# KiCad board teensy_arena_12-12.kicad_pcb (continued)
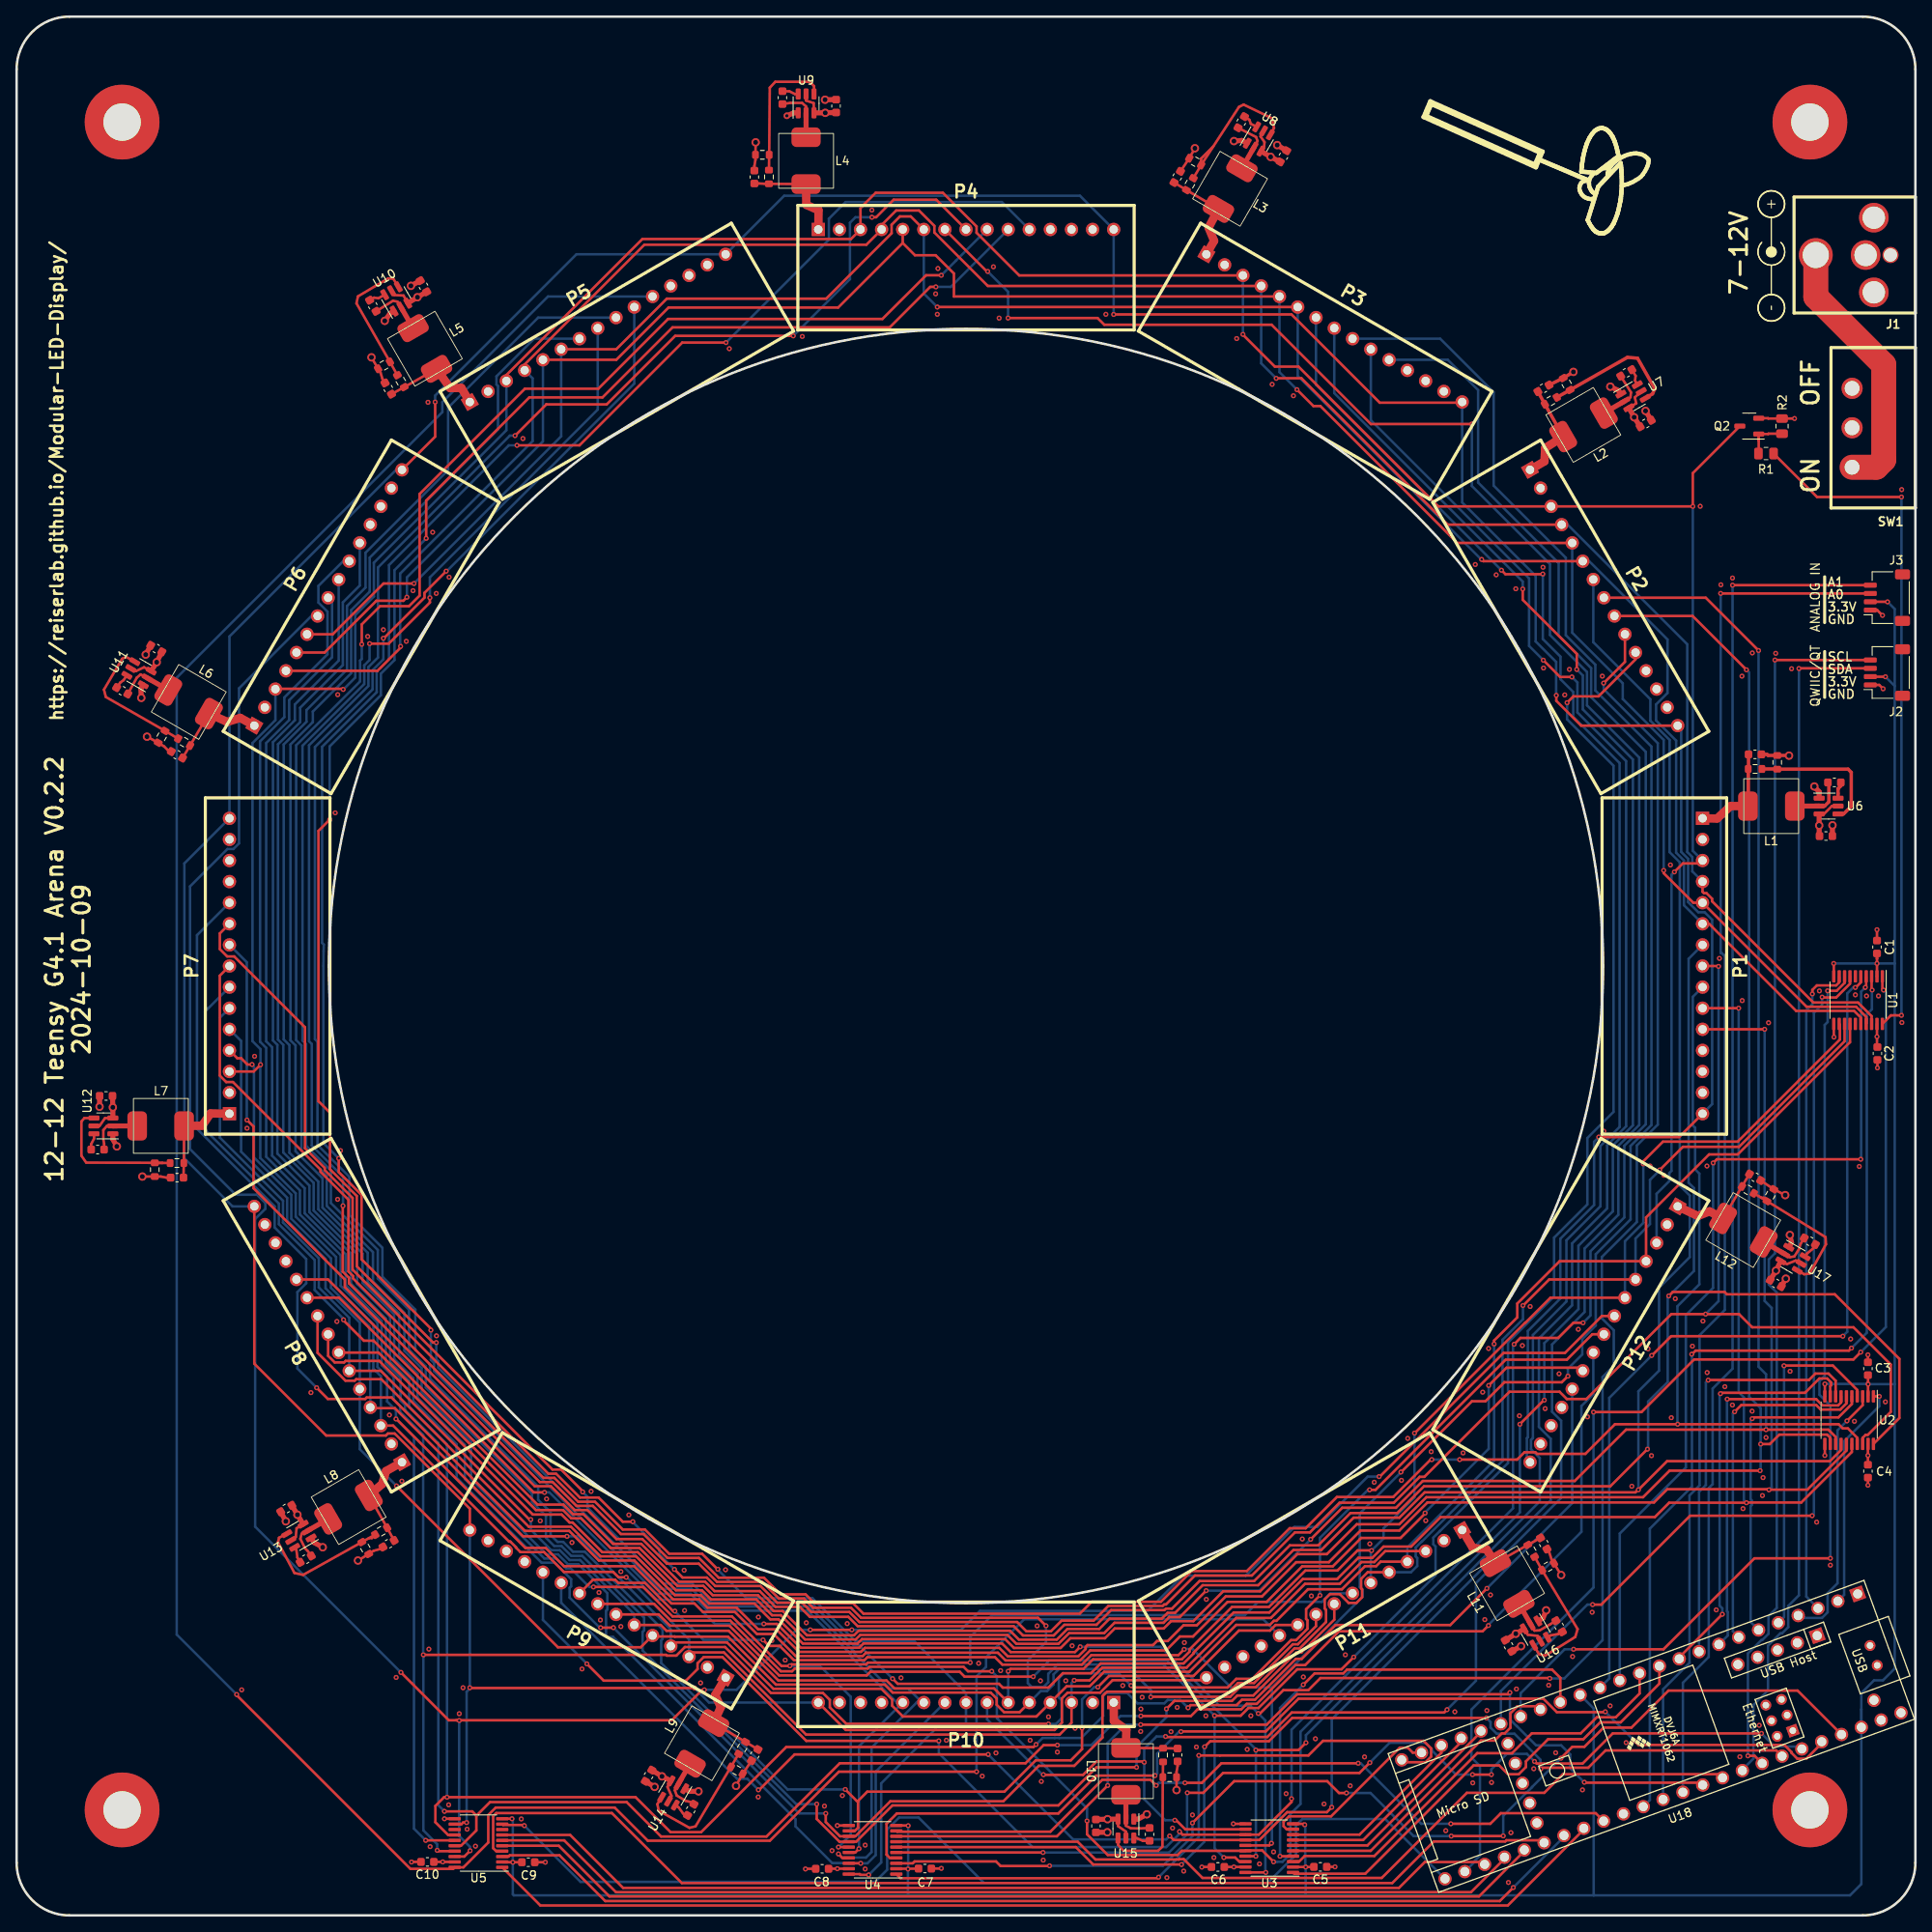
[diagram p0: board, top side]
## Nets (continued)
/Power & Voltage Regulators/SW_VCC: J1.1 SW1.1
/Teensy/A0: J3.3 U18.36
/Teensy/A1: J3.4 U18.37
/Teensy/SCL: J2.4 U18.41
/Teensy/SDA: J2.3 U18.40
Net-(Q2-G): Q2.1 R1.1 R2.2
Net-(U6-SW): C12.2 L1.1 U6.2
Net-(U6-VBST): C12.1 U6.6
Net-(U6-VFB): R3.2 R4.1 U6.4
Net-(U7-SW): C15.2 L2.1 U7.2
Net-(U7-VBST): C15.1 U7.6
Net-(U7-VFB): R5.2 R6.1 U7.4
Net-(U8-SW): C18.2 L3.1 U8.2
Net-(U8-VBST): C18.1 U8.6
Net-(U8-VFB): R7.2 R8.1 U8.4
Net-(U9-SW): C21.2 L4.1 U9.2
Net-(U9-VBST): C21.1 U9.6
Net-(U9-VFB): R9.2 R10.1 U9.4
Net-(U10-SW): C24.2 L5.1 U10.2
Net-(U10-VBST): C24.1 U10.6
Net-(U10-VFB): R11.2 R12.1 U10.4
Net-(U11-SW): C27.2 L6.1 U11.2
Net-(U11-VBST): C27.1 U11.6
Net-(U11-VFB): R13.2 R14.1 U11.4
Net-(U12-SW): C30.2 L7.1 U12.2
Net-(U12-VBST): C30.1 U12.6
Net-(U12-VFB): R15.2 R16.1 U12.4
Net-(U13-SW): C33.2 L8.1 U13.2
Net-(U13-VBST): C33.1 U13.6
Net-(U13-VFB): R17.2 R18.1 U13.4
Net-(U14-SW): C36.2 L9.1 U14.2
Net-(U14-VBST): C36.1 U14.6
Net-(U14-VFB): R19.2 R20.1 U14.4
Net-(U15-SW): C39.2 L10.1 U15.2
Net-(U15-VBST): C39.1 U15.6
Net-(U15-VFB): R21.2 R22.1 U15.4
Net-(U16-SW): C42.2 L11.1 U16.2
Net-(U16-VBST): C42.1 U16.6
Net-(U16-VFB): R23.2 R24.1 U16.4
Net-(U17-SW): C45.2 L12.1 U17.2
Net-(U17-VBST): C45.1 U17.6
Net-(U17-VFB): R25.2 R26.1 U17.4

Pads without a net: J2 MP; J3 MP; P1 12 13 14; P2 12 13 14; P3 12 13 14; P4 12 13 14; P5 12 13 14; P6 12 13 14; P7 12 13 14; P8 12 13 14; P9 12 13 14; P10 12 13 14; P11 12 13 14; P12 12 13 14; U1 6 15; U5 8 13; U18 50 51 52 53 54 55 56 57 58 59 60 61 62 63 64 65 66 67

## Via types
v1: diameter 0.6, hole 0.3, Top to Bottom, 478 vias
v2: diameter 1, hole 0.6, Top to Bottom, 47 vias
v3: diameter 0.8, hole 0.4, Top to Bottom, 1 via

## Routing (per net, layer and track width the routed paths; a pad name or vN(x,y) marks a point on that pad's centre or on a via; arc(x,y) is an arc through that point)
+3.3V: length 415.7
  Top w0.3: U1.10 218.78,114.6 v1(218.77,114.61) ; 108.58,5.63 108.58,5.64 ; 108.58,5.63 C7.1 ; 108.58,5.63 108.57,5.62 107.31,5.62 ; U3.10 154.97,11.02 v1(155.08,10.91) ; U5.2 58.5,6.4 v1(59.74,6.4) C9.1 ; v1(107.31,5.59) 107.31,5.62 ; 107.31,5.62 U4.2 ; v1(222.91,63.96) 222.91,64.17 222.9,64.18 ; v1(225.25,158.14) 225.24,158.15 J3.2 ; v1(107.34,10.8) 107.31,10.82 U4.10 ; 223.98,115.21 223.98,115.21 223.98,115.81 ; 223.98,115.21 v1(223.98,114.61) 223.98,113.05 U1.2 ; 223.98,115.21 223.98,115.81 ; C5.1 156.16,5.82 v1(155.19,5.82) U3.2 ; 222.9,62.49 222.9,62.91 ; 222.9,62.91 U2.2 ; 222.9,62.91 222.9,64.18 ; v1(217.7,63.98) 217.7,63.98 U2.10 ; v1(59.64,11.63) U5.10 ; J2.2 223.19,149.12 v1(224.99,149.12) ; 222.9,64.18 222.9,65.03 C3.1
  Bottom w0.3: v1(218.77,114.61) v1(223.98,114.61) 226.11,114.61 ; v1(59.64,11.63) 59.74,11.53 v1(59.74,6.4) 59.74,2.54 59.87,2.41 107.44,2.41 ; 155.32,2.41 155.19,2.41 ; 155.32,2.41 155.19,2.41 ; 155.32,2.41 189.87,2.41 ; 155.19,2.41 v1(155.19,5.82) 155.14,5.87 155.14,10.85 v1(155.08,10.91) ; 155.19,2.41 107.44,2.41 ; 107.44,2.41 107.31,2.54 v1(107.31,5.59) 107.34,5.61 v1(107.34,10.8) ; 226.11,148.01 226.11,157.28 v1(225.25,158.14) ; 226.11,148.01 v1(224.99,149.12) ; 226.11,148.01 226.11,114.61 ; v1(217.7,63.98) 222.88,63.98 v1(222.91,63.96) 226.11,63.96 ; 226.11,63.96 226.11,29.72 224.69,28.3 223.62,28.3 222.09,26.77 222.09,24.79 ; 226.11,63.96 226.11,114.61 ; U18.15 189.87,24.91 189.87,2.41 ; 189.87,2.41 220.73,2.41 222.09,3.78 222.09,24.79 ; 222.09,24.79 222.09,24.79 U18.46
+5V: length 12.8
  Top w0.3: U2.19 222.88,56.75 v1(222.88,55.37) C4.1 ; C6.1 v1(146.56,5.83) 147.94,5.83 U3.19 ; C2.1 223.98,104.6 v1(223.98,105.79) U1.19 ; U4.19 v1(98.81,5.62) 97.77,5.62 C8.1 ; 52.74,6.43 52.74,6.44 v1(51.31,6.44) C10.1
GND: length 102.7
  Top w0.3: v2(185.95,40.97) R24.2 184.78,42.9 184.53,43.66 184.24,44.11 ; v1(217.7,55.37) 217.7,55.38 U2.11 ; 44.11,44.36 43.71,44.09 42.98,43.89 R18.2 v2(41.1,42.72) ; 223.98,117.36 v1(223.98,118.67) ; 223.18,148.14 224.25,148.14 v1(224.71,147.68) ; v1(218.8,105.74) 218.78,105.76 U1.11 ; 52.74,11.63 U5.11 51.51,11.63 v1(51.51,11.63) ; C9.2 v1(63.65,6.4) ; v2(15.7,141.91) R14.2 17.75,140.74 18.19,140.31 C28.1 ; C22.1 88.82,210.62 88.95,211.35 R10.2 v2(88.98,213.46) ; v1(94.97,5.59) 94.99,5.61 C8.2 ; v1(111.33,5.66) 111.3,5.64 110.13,5.64 ; U3.11 v1(146.48,11.02) ; v1(98.81,10.82) 98.81,10.82 U4.11 ; C3.2 v1(222.88,67.49) ; C10.2 47.56,6.44 v1(47.55,6.43) ; J3.1 224,157.15 v1(224.64,156.52) ; v2(139.65,15.09) R22.2 139.65,17.27 139.78,17.98 C40.1 ; v2(86.61,15.6) R20.2 C37.1 ; v1(142.7,5.82) 142.71,5.83 C6.2 ; Q2.2 210.86,180.25 210.9,180.21 R2.1 v1(214.05,180.21) ; v2(42.72,187.58) R12.2 43.81,185.73 44.04,184.99 44.36,184.49 ; C19.1 R8.2 v2(141.86,212.75) ; v1(224.03,102.03) C2.2 ; C4.2 v1(222.88,51.79) ; C46.1 R26.2 v2(212.93,86.72) ; C31.1 18.03,88.82 17.37,88.95 R16.2 v2(15.14,88.95) ; C5.2 v1(158.72,5.84)
  Top w0.4: v2(216.43,135.92) 216.43,135.87 ; 184.49,184.24 R6.2 v2(187.43,185.83) ; v2(213.38,139.62) 213.36,139.65 210.87,139.65 210.74,139.78 C13.1
  Top w0.6: U14.1 81,14.94 v2(82.09,14.94) ; U6.1 217.01,135.29 216.43,135.87 ; v2(12.06,92.58) 11.58,93.45 U12.1 ; v3(92.74,216.66) 93.57,217.02 U9.1 ; v2(15.01,146.58) 14.96,147.7 U11.1 ; U13.1 35.79,44.91 v2(36.86,44.32) ; v2(184.15,36.73) 183.77,35.79 U16.1 ; v2(213.49,81.92) 213.69,80.98 U17.1 ; 31.79,48.6 v2(32.41,47.45) ; U8.1 147.5,213.69 v2(146.56,213.61) ; v2(44.32,191.97) 44.98,192.89 U10.1 ; 212.45,75.7 v2(213,76.66) ; 152.9,212.45 v2(151.76,213.13) ; 129.95,10 v2(131.32,10.01) ; v2(136.07,12.17) 135,11.58 U15.1 ; 48.6,196.81 v2(47.47,196.19) ; v2(191.87,184.05) 192.89,183.57 U7.1 ; 180,31.79 v2(181.13,32.41) ; C29.2 v2(9.98,97.36) ; C20.2 v2(97.33,218.59) ; 196.81,180 v2(196.11,181.13) ; 75.7,16.15 v2(76.81,15.47) ; 218.61,129.95 v2(218.62,131.24) ; 16.15,152.9 v2(15.54,151.79)
  vias: v1(27.1,27.15) v1(27.74,94.77) v1(28.65,103.43) v1(35.43,62.94) v1(38.35,132.74) v1(38.65,86.21) v1(38.56,71.5) v1(38.66,146.96) v1(38.99,92.08) v1(42.27,153.97) v1(44.15,154.79) v1(44.88,60.25) v1(45.69,28.65) v1(46.38,52.27) v1(46.91,153.39) v1(47.73,159.49) v1(49.53,182.17) v1(49.63,32.05) v1(49.78,8.28) v1(50.09,166.52) v1(50.52,159.16) v1(50.55,69.77) v1(52.02,13.31) v1(52.07,161.11) v1(53.29,24.28) v1(53.75,27.41) v1(54.24,10.38) v1(55.25,8.33) v1(60.76,11.61) v1(60.96,177.8) v1(63.04,47.5) v1(63.8,50.14) v1(66.86,44.89) v1(68.07,29.67) v1(69.16,51.05) v1(70.12,38.87) v1(70.28,35.56) v1(72.75,41.39) v1(72.75,34.77) v1(73.71,48.21) v1(80.37,41.55) v1(80.42,36.7) v1(82.35,27.99) v1(85.35,41.61) v1(85.8,188.62) v1(89.31,35.92) v1(89.28,14.25) v1(90.93,33.1) v1(92.53,30.73) v1(94.59,190.09) v1(95.07,35.23) v1(97.26,13.16) v1(98.17,7.8) v1(99.42,14.43) v1(100,35.13) v1(102.16,8.46) v1(102.16,5.59) v1(102.97,205.31) v1(106.48,28.6) v1(110.64,195.22) v1(110.85,192.76) v1(110.92,198.27) v1(111.94,21.08) v1(115.82,30.35) v1(116.26,16.76) v1(117.6,198.48) v1(117.91,19.56) v1(118.29,192.3) v1(118.47,29.46) v1(122.02,21.08) v1(122.86,34.85) v1(123.27,28.24) v1(123.37,16.13) v1(123.6,6.65) v1(124.23,23.9) v1(125.3,19.66) v1(126.31,28.24) v1(127.08,32.46) v1(127.43,22.53) v1(131.14,192.76) v1(133.17,27.67) v1(135.33,22.15) v1(135.36,24.84) v1(135.51,26.26) v1(138.48,4.55) v1(138.99,22.12) v1(139.17,10.52) v1(139.73,25.04) v1(140.51,5.33) v1(140.59,32.84) v1(141.57,12.09) v1(142.04,20.27) v1(143.23,38.05) v1(143.18,24.03) v1(144.15,6.96) v1(146.89,189.84) v1(148.16,19.99) v1(148.59,24.03) v1(149.63,6.2) v1(151.16,184.33) v1(151.33,7.65) v1(152.84,14.66) v1(153.72,182.96) v1(154.79,45.31) v1(154.91,28.7) v1(155.88,38.46) v1(156.36,21.26) v1(157.4,13.41) v1(159.97,31.37) v1(160.55,15.6) v1(162.28,19.08) v1(162.92,44.73) v1(163.45,52.15) v1(166.73,52.37) v1(167.49,57.43) v1(169.65,47.52) v1(170.31,55.83) v1(172.06,10.2) v1(173.15,24.51) v1(174.14,55.68) v1(175.31,15.95) v1(175.62,162.64) v1(176.5,62.99) v1(176.76,35.61) v1(177.01,24.66) v1(177.22,68.25) v1(177.44,38.58) v1(177.57,16) v1(178.13,161.39) v1(179.6,3.96) v1(179.91,9.96) v1(180.49,159.72) v1(180.57,27.25) v1(180.92,60.15) v1(181.28,68.61) v1(182.22,73.3) v1(182.65,17.65) v1(183.77,162.31) v1(183.83,150.17) v1(184.02,61.01) v1(184.45,27.71) v1(185.29,19.58) v1(185.7,65.2) v1(186.39,146.94) v1(186.94,150.01) v1(187.32,31.17) v1(188.01,70.56) v1(188.52,15.11) v1(189.13,60.02) v1(189.69,36.5) v1(190.91,149.2) v1(191.08,94.41) v1(191.85,25.22) v1(193.78,20.8) v1(194.46,51.66) v1(196.42,68.2) v1(196.65,90.22) v1(196.82,55.35) v1(198.32,89.1) v1(199.11,126.47) v1(199.21,59.92) v1(199.69,74.24) v1(201.75,68.53) v1(202.69,169.65) v1(203.02,71.55) v1(203.5,90.22) v1(203.53,65.35) v1(204.62,36.78) v1(205,115.21) v1(205.18,160.2) v1(205.66,63.65) v1(206.58,161.01) v1(206.57,61.44) v1(207.47,19.1) v1(207.72,149.2) v1(207.75,110.13) v1(207.85,48.97) v1(208.94,60.71) v1(208.97,151.99) v1(209.8,22.89) v1(210.19,50.55) v1(210.26,52.71) v1(210.62,57.53) v1(210.92,107.47) v1(211.79,151.94) v1(213.51,65.51) v1(213.69,150.09) v1(216.71,47.35) v1(217.04,111.3) v1(218.36,42.16) v1(220.8,69.39) v1(221.26,59.49) v1(221.37,110.83) v1(221.84,90.17) v1(222.72,110.69) v1(224.15,110.69) v1(224.99,61.82) v1(226.95,171.65) v1(226.97,107.49)
VCC: length 65.2
  Top w0.3: U10.5 45.47,195.07 46.58,195.02 U10.3 ; U13.5 33.6,45.54 33.71,46.61 U13.3 ; U11.5 14.38,149.81 15.34,150.27 U11.3 ; 195.6,183.47 194.82,182.75 195,182.04 U7.3 ; 212.4,78.8 213.13,78.41 214.2,78.84 U17.5 ; 183.47,33 183.11,33.66 181.94,33.78 U16.3 ; 133.55,9.31 133.55,10.08 132.61,10.74 U15.3 ; U6.3 217.59,132.6 218.54,133.55 219.29,133.55 ; 78.79,16.2 78.36,15.47 78.84,14.38 U14.5 ; U8.5 149.76,214.17 150.24,213.49 150.19,212.98 U8.3 ; U12.3 10.64,95.99 9.98,95.05 9.31,95.05 ; 95.05,219.29 95.05,218.49 95.96,218.19 U9.3
  Top w0.4: 217.02,129.98 C11.1
  Top w0.6: U6.3 217.01,131.22 v2(217.02,131.22) 217.02,129.98 ; C44.1 v2(211.81,77.62) 212.4,78.8 ; U15.3 v2(131.34,11.58) C38.1 ; U9.3 v2(97.36,217.02) C20.1 ; C35.1 v2(77.7,16.74) 78.79,16.2 ; C26.1 v2(16.87,150.88) U11.3 ; U8.3 v2(150.98,211.71) C17.1 ; U16.3 v2(180.49,33.91) C41.1 ; U10.3 v2(48.26,194.82) C23.1 ; U7.3 v2(194.74,180.37) C14.1 ; U13.3 v2(33.81,48.24) C32.1 ; U12.3 v2(11.58,97.28) C29.1
/Level Shifters/PAN3V.CS_00: length 27.4
  Top w0.3: U2.1 v1(224.25,62.49)
  Bottom w0.3: U18.2 220.02,38.59 220.02,57.08 224.26,61.32 224.26,62.48 v1(224.25,62.49)
/Level Shifters/PAN3V.CS_01: length 31.7
  Top w0.3: U2.3 222.25,61.42 v1(220.36,59.53)
  Bottom w0.3: U18.4 214.78,35.82 217.36,35.82 218.03,36.49 218.03,38.79 219.22,39.99 219.22,58.4 v1(220.36,59.53)
/Level Shifters/PAN3V.CS_02: length 42
  Top w0.3: v1(212.78,66.17) 212.8,66.19 218.67,66.19 221.6,63.26 U2.4
  Bottom w0.3: U18.5 212.79,35.91 212.79,66.17 v1(212.78,66.17)
/Level Shifters/PAN3V.CS_03: length 39.7
  Top w0.3: U2.5 220.95,61.57 219.33,59.96 209.1,59.96 v1(208.95,59.81)
  Bottom w0.3: U18.6 208.76,35.32 208.76,49.27 208.9,49.41 208.9,49.95 208.76,50.09 208.76,59.62 v1(208.95,59.81)
/Level Shifters/PAN3V.CS_04: length 42.7
  Top w0.3: v1(206.83,60.63) 207.64,61.44 216.66,61.44 217.2,60.9 219.56,60.9 220.3,61.64 U2.6
  Bottom w0.3: U18.7 206.63,34.2 206.63,60.43 v1(206.83,60.63)
/Level Shifters/PAN3V.CS_05: length 44.9
  Top w0.3: v1(205.94,62.15) 216.66,62.15 217.41,61.4 219.3,61.4 219.65,61.75 U2.7
  Bottom w0.3: U18.8 206.01,33.69 206.01,36.53 205.92,36.62 205.92,62.13 v1(205.94,62.15)
/Level Shifters/PAN3V.CS_06: length 51
  Top w0.3: v1(203.66,64.44) 203.67,64.46 215.79,64.46 216.56,65.23 218.14,65.23 219,64.37 U2.8
  Bottom w0.3: v1(203.66,64.44) 203.38,64.16 203.38,51.81 202.56,50.99 U18.9
/Level Shifters/PAN3V.CS_07: length 50.2
  Top w0.3: v1(205.36,36.26) 200.17,31.07 U18.10 ; U2.9 218.35,63.71 218.45,63.81 218.45,64.16 217.97,64.64 217.04,64.64 215.31,62.92 205.23,62.92 v1(205.13,62.81)
  Bottom w0.3: v1(205.13,62.81) 205.03,62.71 205.03,37.29 205.36,36.96 v1(205.36,36.26)
/Level Shifters/PAN3V.CS_08: length 57.1
  Top w0.3: U3.1 153.83,5.01 162.37,5.01 175.41,18.06 178.49,18.06 179.55,16.99 180.85,16.99 181.71,17.86 181.71,18.54 184.38,21.21 188.62,21.21 190.65,23.24 193.12,23.24 197.78,27.91 U18.11
/Level Shifters/PAN3V.CS_09: length 52.5
  Top w0.3: U3.3 154.4,6.47 155.07,7.15 163.46,7.15 175.84,19.53 180.03,19.53 182.43,21.92 188.32,21.92 190.25,23.85 192.53,23.85 195.4,26.72 U18.12
/Level Shifters/PAN3V.CS_10: length 58.4
  Top w0.3: v1(154.91,27.77) 156.27,29.13 159.72,29.13 160.18,29.59 184.86,29.59 185.85,28.6 U18.16 ; U3.4 v1(152.1,7.12)
  Bottom w0.3: v1(152.1,7.12) 152.1,24.97 v1(154.91,27.77)
/Level Shifters/PAN3V.CS_11: length 38.2
  Top w0.3: U18.17 183.09,25.18 180.69,25.18 179.84,24.33 179.84,22.59 179.17,21.92 178.81,21.92 177.94,21.05 176.29,21.05 163.02,7.77 U3.5
/Level Shifters/PAN3V.CS_12: length 28.4
  Top w0.3: U3.6 162.64,8.42 176.3,22.09 U18.20
/Level Shifters/PAN3V.CS_13: length 25.6
  Top w0.3: U3.7 162.11,9.07 173.92,20.88 U18.21
/Level Shifters/PAN3V.CS_14: length 22.8
  Top w0.3: U18.22 171.53,19.57 161.68,9.72 U3.8
/Level Shifters/PAN3V.CS_15: length 22.4
  Top w0.3: U18.23 168.09,19.59 167.49,20.19 166.52,20.19 158.25,11.92 153.2,11.92 152.54,11.27 152.54,10.74 152.9,10.37 U3.9
/Level Shifters/PAN3V.CS_16: length 82.5
  Top w0.3: v1(137.49,4.6) 137.37,4.47 106.41,4.47 U4.1 ; U18.24 167.04,18.44 169.62,18.44 170.29,19.12 170.29,20.11 169.39,21.02 157.29,21.02 155.53,19.25 144.86,19.25 144.86,19.25 v1(142.33,19.25)
  Bottom w0.3: v1(137.49,4.6) 142.32,9.42 142.32,19.24 v1(142.33,19.25)
/Level Shifters/PAN3V.CS_17: length 132.9
  Top w0.3: v1(185.93,18.93) 187.3,20.29 188.75,20.29 191.06,22.61 194.41,22.61 198.87,27.06 214.42,27.06 U18.45 ; v1(160.1,14.74) 159.21,14.74 157.79,16.15 146.58,16.15 141.57,11.14 v1(141.57,11.13) ; v1(178.98,9.57) 178.96,9.55 v1(172.72,9.55) ; v1(124.36,5.97) 124.33,5.94 118.47,5.94 117.91,6.5 108.12,6.5 107.89,6.27 U4.3
  Bottom w0.3: v1(172.72,9.55) 168.19,9.55 163,14.74 v1(160.1,14.74) ; v1(141.57,11.13) 141.57,9.54 138,5.97 v1(124.36,5.97) ; v1(185.93,18.93) 185.92,18.93 182.45,15.45 182.45,15.43 181.77,14.76 181.75,14.76 178.98,11.98 v1(178.98,9.57)
/Level Shifters/PAN3V.CS_18: length 129.3
  Top w0.3: v1(140.18,22.12) 140.21,22.15 150.39,22.15 154.33,26.09 183.81,26.09 185.43,24.46 191.21,24.46 v1(191.26,24.51) ; v1(137.05,16.83) 129.97,16.83 125.41,12.27 105.98,12.27 104.73,11.02 104.73,7.31 105.12,6.92 U4.4 ; U18.44 217.32,20.72 215.46,18.86 214.39,18.86 213.7,19.56 213.7,19.65 212.82,20.52 195.25,20.52 v1(194.72,21.06)
  Bottom w0.3: v1(194.72,21.06) 191.78,24 v1(191.26,24.51) ; v1(137.05,16.83) 137.32,17.1 137.32,19.49 139.95,22.12 v1(140.18,22.12)
/Level Shifters/PAN3V.CS_19: length 123.2
  Top w0.3: v1(140.94,14.76) 142.86,14.76 145.25,17.15 161.67,17.15 v1(162.92,18.39) ; v1(123.57,7.57) U4.5 ; v1(177.55,16.95) v1(175.29,16.95) ; v1(182.74,18.53) 183,18.28 188.53,18.28 192.17,21.91 v1(210.07,21.91)
  Bottom w0.3: v1(182.74,18.53) 181.83,19.45 179.42,19.45 177.55,17.58 v1(177.55,16.95) ; v1(162.92,18.39) 165.31,20.78 169.59,20.78 170.38,19.99 170.38,19.86 173.29,16.95 v1(175.29,16.95) ; v1(210.07,21.91) 211.66,20.32 214.65,20.32 U18.43 ; v1(123.57,7.57) 123.57,7.57 138.74,7.57 140.92,9.74 140.92,14.73 v1(140.94,14.76)
/Level Shifters/PAN3V.CS_20: length 126.3
  Top w0.3: v1(176.96,23.77) 153.58,23.77 150.77,20.97 143.7,20.97 v1(143.03,20.29) ; U18.42 211.86,19.86 191.3,19.86 189.21,17.77 183.64,17.77 v1(183.49,17.63) ; U4.6 127.52,8.22 129.61,6.13 140.24,6.13 v1(140.25,6.12)
  Bottom w0.3: v1(176.96,23.77) 177.45,23.28 177.45,22.61 178.19,21.87 180.32,21.87 183.46,18.73 183.46,17.65 v1(183.49,17.63) ; v1(140.25,6.12) 142.98,8.85 142.98,20.25 v1(143.03,20.29)
/Level Shifters/PAN3V.CS_21: length 106.7
  Top w0.3: U18.39 204.95,17 186.16,17 183.92,14.76 174.6,14.76 164.35,4.51 142.78,4.51 140.52,6.77 139.98,6.77 139.93,6.73 129.89,6.73 127.74,8.87 U4.7
/Level Shifters/PAN3V.CS_22: length 114.7
  Top w0.3: U18.38 202.72,15.98 188.8,15.98 v1(188.75,16.03) ; v1(131.36,15.64) 125.24,9.52 U4.8 ; v1(135.33,22.96) 150.5,22.96 154.16,26.62 179.58,26.62 v1(179.78,26.82)
  Bottom w0.3: v1(131.36,15.64) 131.36,20.77 133.54,22.96 v1(135.33,22.96) ; v1(188.75,16.03) 188.72,16.03 187.05,17.7 187.05,19.38 185.95,20.47 182.93,20.47 180.62,22.79 180.6,22.79 179.78,23.61 v1(179.78,26.82)
/Level Shifters/PAN3V.CS_23: length 93.1
  Top w0.3: v1(137.19,15.64) 136.51,16.33 130.71,16.33 124.45,10.07 106.01,10.07 105.91,10.17 ; v1(140.67,15.96) 142.7,15.96 145.05,18.31 v1(161.52,18.31) ; U18.33 190.11,12.31 178.7,12.31 177.42,11.03 v1(172.67,11.03)
  Bottom w0.3: v1(137.19,15.64) 137.51,15.96 v1(140.67,15.96) ; v1(161.52,18.31) 161.82,18.31 169.11,11.03 v1(172.67,11.03)
/Level Shifters/PAN3V.CS_24: length 136
  Top w0.3: U5.1 63.06,1.19 179.53,1.19 188.68,10.34 U18.32
/Level Shifters/PAN3V.CS_25: length 133.5
  Top w0.3: v1(180.19,3.36) 178.56,1.73 70.87,1.73 65.36,7.23 59.37,7.23 59.22,7.08 U5.3
  Bottom w0.3: U18.31 186.29,9.46 v1(180.19,3.36)
/Level Shifters/PAN3V.CS_26: length 137.5
  Top w0.3: U5.4 57.73,7.73 57.37,8.09 57.37,11.95 57.75,12.32 71.67,12.32 80.09,3.89 165.61,3.89 170.62,8.9 179.21,8.9 179.36,9.04 183.6,9.04 U18.30
/Level Shifters/PAN3V.CS_27: length 128
  Top w0.3: U5.5 65.28,8.38 71.37,2.29 176.06,2.29 181.52,7.74 U18.29
/Level Shifters/PAN3V.CS_28: length 125.1
  Top w0.3: U18.28 179.13,6.82 175.11,2.79 72.16,2.79 65.92,9.03 U5.6
/Level Shifters/PAN3V.CS_29: length 122.3
  Top w0.3: U5.7 66.64,9.68 73.03,3.3 166.42,3.3 169.54,6.43 176.46,6.43 U18.27
/Level Shifters/PAN3V.EXT_INT: length 133.9
  Top w0.3: v1(61.12,10.81) 61.04,10.89 58.57,10.89 U5.9
  Bottom w0.3: U18.25 164.77,11.6 154.79,11.6 154.03,10.84 154.03,7.33 150.6,3.9 116.47,3.9 108.59,11.79 106.25,11.79 104.81,10.35 104.81,5.5 103.35,4.04 67.89,4.04 v1(61.12,10.81)
/Level Shifters/PAN3V.MISO_0: length 110.9
  Top w0.3: v1(221.37,111.72) 221.42,111.72 222.03,112.33 U1.5 ; v1(219.86,69.73) 199.19,69.73 196.88,67.41 v1(196.85,67.41)
  Bottom w0.3: v1(219.86,69.73) 220.4,70.26 220.4,111 221.11,111.72 v1(221.37,111.72) ; v1(196.85,67.41) 191.75,62.31 191.75,28.53 U18.14
/Level Shifters/PAN3V.MISO_1: length 79.7
  Top w0.3: v1(216.19,110.94) 216.19,111.42 216.74,111.97 219.07,111.97 219.43,112.33 U1.9
  Bottom w0.3: 216.88,36.97 215.47,38.38 215.47,108.96 216.19,109.69 v1(216.19,110.94)
/Level Shifters/PAN3V.MOSI_0: length 107.2
  Top w0.3: v1(204.25,90.59) 204.7,91.03 v1(222.02,91.03) ; v1(222.57,111.72) 222.68,111.83 U1.4
  Bottom w0.3: U18.13 193.01,45.97 200.96,53.92 200.96,72.27 204.24,75.54 204.24,90.58 v1(204.25,90.59) ; v1(222.02,91.03) 222.07,91.08 222.07,111.22 v1(222.57,111.72)
/Level Shifters/PAN3V.MOSI_1: length 119.3
  Top w0.3: v1(218.36,42.99) 209.22,42.99 198.27,32.04 v1(187.45,32.04) ; v1(218.03,111.32) 219.12,111.32 220.08,112.27 U1.8
  Bottom w0.3: 181.08,23.94 181.08,26.75 186.37,32.04 v1(187.45,32.04) ; v1(218.36,42.99) 218.36,61.37 217.05,62.68 217.05,64.31 217.68,64.94 217.68,107.2 218.03,107.55 v1(218.03,111.32)
/Level Shifters/PAN3V.RESET: length 144.4
  Top w0.3: U1.1 224.63,111.54 v1(224.76,111.4) ; v1(189.85,60.59) 195.63,60.59 201.96,66.93 221.14,66.93 v1(222.02,67.81)
  Bottom w0.3: 174.35,5.27 175.59,6.51 175.59,6.62 176.17,7.2 176.17,17.98 175.15,19.01 175.15,24.78 189.85,39.48 v1(189.85,60.59) ; v1(222.02,67.81) 225.04,70.83 225.04,111.13 v1(224.76,111.4)
/Level Shifters/PAN3V.SCK_0: length 122.3
  Top w0.3: U1.3 223.33,111.47 v1(223.39,111.4) ; v1(220.9,68.3) 220.6,68 202.14,68 201.71,67.56 v1(201.68,67.56)
  Bottom w0.3: v1(220.9,68.3) 222.75,70.14 222.75,108.47 223.37,109.09 223.37,111.38 v1(223.39,111.4) ; U18.35 196.63,13.89 196.63,46.56 201.7,51.63 201.7,67.54 v1(201.68,67.56)
/Level Shifters/PAN3V.SCK_1: length 118
  Top w0.3: v1(217.37,110.55) 217.42,110.51 219.07,110.51 220.73,112.17 U1.7 ; v1(189.74,37.41) 190.78,37.41 201.48,48.12 v1(216.17,48.12)
  Bottom w0.3: v1(217.37,110.55) 217.37,109.65 216.38,108.66 216.38,48.33 v1(216.17,48.12) ; v1(189.74,37.41) 189.1,37.41 178.69,27 U18.19
/Level Shifters/PAN5V.CS_00: length 337.1
  Top w0.3: v1(196.34,56.13) 191.87,51.66 169.44,51.66 166.22,48.44 160.59,48.44 156.7,44.55 153.29,44.55 148.99,40.25 142.41,40.25 139.09,36.93 138.36,36.93 138.18,36.75 131.77,36.75 130.01,34.99 126.15,34.99 124.86,33.7 121.16,33.7 120.05,34.82 101.26,34.82 100.13,35.94 95.5,35.94 94.31,37.14 91.36,37.14 89.46,39.04 84.02,39.04 82.89,40.17 79.76,40.17 75.2,44.73 71.8,44.73 68.24,48.3 66.99,48.3 65.83,49.45 62.71,49.45 42.98,69.19 41.81,69.19 39.37,71.63 v1(39.37,71.7) ; v1(198.91,74.57) 199.39,75.06 205.62,75.06 205.91,74.77 218.9,74.77 226.67,67.01 226.67,59.88 U2.20
  Bottom w0.3: v1(196.34,56.13) 196.42,56.21 196.42,61.85 198.78,64.21 198.78,74.45 v1(198.91,74.57) 198.93,74.57 201.94,77.58 201.94,87.57 201.3,88.21 201.3,115.16 P1.7 ; P7.7 22.68,108.82 22.68,94.59 31.57,85.7 31.57,83.21 35.88,78.9 35.88,75.29 39.37,71.81 v1(39.37,71.7)
/Level Shifters/PAN5V.CS_01: length 323
  Top w0.3: v1(204.9,114.25) 204.85,114.3 P1.8 ; U2.18 222.25,57.49 222.61,57.85 222.87,57.85 225.64,60.61 225.64,66.32 221.15,70.8 208.95,70.8 207.37,72.39 v1(203.34,72.39) 199.21,72.39 188.99,62.17 186.64,62.17 185.76,63.04 179.73,63.04 169.49,52.8 168.93,52.8 165.81,49.68 159.28,49.68 155.7,46.11 153.91,46.11 148.72,40.92 141.86,40.92 138.37,37.43 138.15,37.43 137.98,37.25 131.44,37.25 129.67,35.49 125.81,35.49 124.53,34.2 121.57,34.2 120.46,35.32 101.46,35.32 100.25,36.53 95.68,36.53 94.57,37.64 91.57,37.64 89.56,39.65 84.12,39.65 83.09,40.67 80.18,40.67 v1(79.2,41.65) ; v1(74.19,47.4) 72.97,47.4 70.07,50.3 67.82,50.3 64.95,53.18 64.02,53.18 40.51,76.68 40.51,76.97 39.95,77.53 39.95,86.17 36.59,89.52 36.59,89.78 26.05,100.33 25.23,100.33 24.46,101.1 24.46,113.13 P7.8
  Bottom w0.3: v1(79.2,41.65) 77.39,43.46 77.39,44.15 74.19,47.35 v1(74.19,47.4) ; v1(204.9,114.25) 204.9,73.95 v1(203.34,72.39)
/Level Shifters/PAN5V.CS_02: length 310.9
  Top w0.3: v1(173.73,54.87) 180.65,54.87 181.53,55.75 182.86,55.75 183.04,55.57 188.86,55.57 192.43,59.13 v1(199.97,59.13) 219.36,59.13 219.85,58.63 220.47,58.63 221.6,57.5 U2.17 ; v1(27.74,95.76) 28.52,94.97 28.52,87.54 39.51,76.55 39.51,75.65 62.99,52.17 64.53,52.17 67.4,49.3 69.37,49.3 72.76,45.91 75.47,45.91 78.35,43.04 82.15,43.04 84.53,40.66 89.97,40.66 91.99,38.65 94.99,38.65 96.07,37.57 100.71,37.57 101.95,36.32 128,36.32 129.43,37.76 137.77,37.76 141.47,41.45 148.11,41.45 153.27,46.61 155.19,46.61 158.95,50.37 165.74,50.37 170.24,54.87 v1(170.38,54.87)
  Bottom w0.3: v1(199.97,59.13) 199.95,59.16 199.95,73.33 202.59,75.97 202.59,89.3 202.08,89.81 202.08,94.83 201.8,95.11 201.8,110.59 P1.9 ; v1(27.74,95.76) 27.71,95.78 27.71,102.15 27.7,102.17 27.7,102.71 27.71,102.72 27.71,114.75 P7.9 ; v1(170.38,54.87) v1(173.73,54.87)
/Level Shifters/PAN5V.CS_03: length 328.4
  Top w0.3: v1(105.46,28.5) 106.08,27.88 118.27,27.88 118.72,27.42 124.22,27.42 125.96,29.16 129.34,29.16 130.51,30.33 140.49,30.33 141.71,31.55 141.71,31.66 146.52,36.47 150.82,36.47 154.85,40.5 158.99,40.5 161.53,43.04 163.21,43.04 164.56,44.4 167.89,44.4 171.45,47.96 197.23,47.96 198.96,49.68 v1(208.25,49.68) 208.28,49.71 214.86,49.71 220.95,55.8 U2.16 ; P7.10 24.47,118.22 24.47,116.33 25.35,115.45 26.19,115.45 34.72,106.92 34.72,92.37 37.09,89.99 37.09,89.73 40.45,86.37 40.45,77.75 64.52,53.68 65.55,53.68 68.15,51.08 v1(68.15,50.98) ; P1.10 v1(207.32,109.22)
  Bottom w0.3: v1(68.15,50.98) 68.15,50.98 68.72,50.4 68.72,49.11 77.88,39.95 81.33,39.95 83.6,37.69 95.61,37.69 100.79,32.51 101.45,32.51 v1(105.46,28.5) ; v1(208.25,49.68) 207.95,49.99 207.95,62.37 207.32,63 v1(207.32,109.22)
/Level Shifters/PAN5V.CS_04: length 339.6
  Top w0.3: P1.11 v1(210.45,106.68) ; U2.15 220.3,55.96 215.59,51.26 211,51.26 v1(210.97,51.23) 210.9,51.31 198.73,51.31 197.14,49.72 169.86,49.72 166.47,46.33 161.8,46.33 157.99,42.52 154.06,42.52 149.94,38.4 145.57,38.4 142.09,34.92 140.49,34.92 138.59,33.03 137.3,33.03 136.81,32.54 128.93,32.54 128.7,32.32 128.7,32.07 127.83,31.19 119.33,31.19 118.31,32.21 102.14,32.21 101.65,31.72 94.19,31.72 91.47,34.44 89.28,34.44 86.68,37.04 83.19,37.04 82.17,38.05 79.04,38.05 74.37,42.72 70.1,42.72 66.53,46.29 61.2,46.29 45.14,62.35 42.14,62.35 41.97,62.18 37.47,62.18 v1(36.12,63.53)
  Bottom w0.3: P7.11 21.72,118.01 21.72,94.7 31.06,85.35 31.06,82.82 34.86,79.02 34.86,76.1 33.8,75.04 33.8,65.84 v1(36.12,63.53) ; v1(210.97,51.23) 211.29,51.55 211.29,73.14 210.45,73.98 v1(210.45,106.68)
/Level Shifters/PAN5V.CS_05: length 322.8
  Top w0.3: P8.7 43.56,67.76 62.53,48.79 65.79,48.79 66.78,47.8 67.95,47.8 71.52,44.23 74.99,44.23 79.55,39.67 82.68,39.67 83.81,38.54 89.25,38.54 91.15,36.64 92.24,36.64 95.16,33.72 100.82,33.72 101.36,34.26 119.61,34.26 120.67,33.2 125.23,33.2 126.51,34.49 130.34,34.49 131.59,35.73 137.87,35.73 138.57,36.43 139.48,36.43 142.8,39.75 149.48,39.75 153.72,43.99 157.07,43.99 160.96,47.88 166.47,47.88 169.52,50.93 194.89,50.93 195.2,51.23 v1(195.25,51.23) 198.71,54.69 218.31,54.69 219.65,56.02 U2.14
  Bottom w0.3: P2.7 189.82,153.28 196.69,146.41 196.69,143.83 199.01,141.52 199.01,128.01 200.23,126.78 200.23,87.87 201.44,86.67 201.44,79.25 197.74,75.55 197.74,65.58 195.25,63.09 v1(195.25,51.23)
/Level Shifters/PAN5V.CS_06: length 326.4
  Top w0.3: U2.13 219,57.61 218.13,58.48 v1(210.62,58.48) 193.76,58.48 187.58,52.3 169.29,52.3 166.07,49.07 159.59,49.07 v1(155.79,45.27) ; v1(209.72,152.28) 203.36,158.64 P2.8 ; P8.8 37.51,67.36 38.3,66.57 39.43,66.57 39.61,66.76 43.66,66.76 62.15,48.26 65.61,48.26 66.57,47.3 66.94,47.3 70.51,43.73 74.78,43.73 79.37,39.14 82.5,39.14 83.6,38.04 89.05,38.04 90.95,36.14 92,36.14 94.92,33.22 101.03,33.22 101.57,33.76 119.3,33.76 120.36,32.7 125.43,32.7 126.72,33.99 130.94,33.99 132.19,35.23 138.08,35.23 138.78,35.93 140.04,35.93 v1(143.21,39.1)
  Bottom w0.3: v1(155.79,45.27) 149.62,39.1 v1(143.21,39.1) ; v1(210.62,58.48) 210.62,65.14 209.72,66.05 v1(209.72,152.28)
/Level Shifters/PAN5V.CS_07: length 327.7
  Top w0.3: v1(209.91,53.54) 199.01,53.54 195.81,50.34 169.72,50.34 166.47,47.09 161.34,47.09 157.74,43.49 154.19,43.49 149.71,39.01 145.26,39.01 141.67,35.43 138.99,35.43 138.1,34.54 132.21,34.54 131.03,33.36 126.86,33.36 125.69,32.2 120.08,32.2 119.01,33.26 101.78,33.26 101.24,32.72 94.66,32.72 91.74,35.64 90.74,35.64 88.84,37.54 83.39,37.54 82.38,38.55 79.25,38.55 74.58,43.23 70.3,43.23 66.74,46.79 61.67,46.79 43.9,64.56 40.88,64.56 40.7,64.37 39.59,64.37 36.24,67.73 P8.9 ; v1(209.97,56.74) 211.07,56.74 212.21,57.88 217.97,57.88 218.35,57.5 U2.12 ; v1(208.26,149.96) 201.78,156.44 P2.9
  Bottom w0.3: v1(209.91,53.54) 209.97,53.61 v1(209.97,56.74) 209.97,61.06 208.58,62.45 208.58,149.63 v1(208.26,149.96)
/Level Shifters/PAN5V.CS_08: length 332.1
  Top w0.3: P8.10 38.82,74.36 62.26,50.93 v1(63.55,50.93) ; v1(149.49,24.31) 149.7,24.31 152.51,27.12 155.52,27.12 156.97,28.58 184.53,28.58 v1(184.58,28.52) ; v1(191.07,148.36) 193.63,150.92 P2.10 ; v1(89.96,35.09) 91.53,35.09 94.4,32.22 101.44,32.22 101.96,32.74 118.64,32.74 119.69,31.7 127.41,31.7 v1(128.05,32.34) ; v1(150.39,5.18) 150.39,5.17 U3.20
  Bottom w0.3: v1(128.05,32.34) 137.73,32.34 144.82,25.25 148.55,25.25 v1(149.49,24.31) 150.34,23.46 150.34,5.22 v1(150.39,5.18) ; v1(191.07,148.36) 191.07,147.64 197.59,141.12 197.59,95.21 195.06,92.69 195.06,83.48 190.86,79.27 190.86,71.88 192.29,70.45 192.29,66.17 190.94,64.82 190.94,33.13 186.33,28.52 v1(184.58,28.52) ; v1(89.96,35.09) 84.06,35.09 81.16,38 77.07,38 64.15,50.93 v1(63.55,50.93)
/Level Shifters/PAN5V.CS_09: length 323.9
  Top w0.3: v1(145.34,6.97) 146.72,6.97 147.21,6.47 U3.18 ; v1(160.98,31.1) 159.51,29.63 154.18,29.63 149.52,24.97 148.3,24.97 147.38,24.04 v1(144.23,24.04) ; P2.11 194.9,151.22 190.45,146.76 187.43,146.76 v1(186.66,146) ; v1(123.93,34.86) 122.97,35.82 101.67,35.82 100.46,37.03 95.89,37.03 94.78,38.14 91.78,38.14 89.94,39.98 89.94,39.98 89.77,40.15 84.32,40.15 82.13,42.34 78.3,42.34 75.33,45.31 72.22,45.31 68.73,48.8 67.2,48.8 64.33,51.67 62.38,51.67 37.48,76.56 P8.11
  Bottom w0.3: v1(123.93,34.86) 123.93,32.9 121.74,30.71 121.74,27.97 122.2,27.51 123.65,27.51 124.21,28.07 124.21,29.08 125.33,30.21 138.06,30.21 v1(144.23,24.04) 144.23,8.08 v1(145.34,6.97) ; v1(186.66,146) 186.66,144.01 192.26,138.41 192.26,96.74 189.1,93.59 189.1,85.6 185.1,81.6 185.1,74.52 179.55,68.97 179.55,54.46 171.37,46.28 171.36,46.28 170.56,45.48 170.56,44.68 170.83,44.41 170.83,40.94 v1(160.98,31.1)
/Level Shifters/PAN5V.CS_10: length 312.2
  Top w0.3: v1(155.23,20.79) 154.34,19.91 v1(149.2,19.91) ; U3.17 v1(149.2,7.12) ; P9.7 77.31,36.24 78.67,34.87 85.82,34.87 91.81,28.89 102.36,28.89 102.8,29.34 113.54,29.34 114.13,28.74 v1(122.39,28.74) ; v1(178.77,161.95) 179.25,161.47 183.72,161.47 v1(183.74,161.49)
  Bottom w0.3: v1(183.74,161.49) 183.74,153.67 185.87,151.54 185.87,148.82 187.41,147.29 187.41,144.32 192.99,138.73 192.99,94.93 190.68,92.62 190.68,85.37 186.59,81.28 186.59,73.91 182.55,69.88 182.55,57.47 182.32,57.24 182.32,56.12 183.38,55.07 183.38,49.85 155.23,21.7 v1(155.23,20.79) ; P3.7 156.44,184.28 v1(178.77,161.95) ; v1(122.39,28.74) 124.36,30.71 138.49,30.71 149.2,20 v1(149.2,19.91) v1(149.2,7.12)
/Level Shifters/PAN5V.CS_11: length 318
  Top w0.3: v1(180.98,59.13) 180.98,59.14 183.87,62.03 v1(183.92,62.03) ; v1(151.33,6.45) 149.96,7.82 148,7.82 U3.16 140.27,7.77 139.76,7.26 131.37,7.26 128.87,9.76 v1(128.87,11.37) ; v1(181.33,159.69) 181.33,158.38 187.83,151.88 v1(187.83,150.01) ; v1(117.4,29.39) 114.54,29.39 114,29.93 102.69,29.93 102.48,29.72 93.69,29.72 93.36,29.39 92.01,29.39 85.92,35.48 78.77,35.48 76.75,37.51 P9.8
  Bottom w0.3: v1(117.4,29.39) 118.02,28.77 118.02,23.74 128.87,12.88 v1(128.87,11.37) ; v1(187.83,150.01) 188.56,149.28 188.56,145.19 194.59,139.17 194.59,95.11 192.18,92.7 192.18,84.76 188.04,80.62 188.04,73 183.92,68.89 v1(183.92,62.03) ; P3.8 158.64,183.27 181.33,160.58 v1(181.33,159.69) ; v1(151.33,6.45) 151.76,6.45 151.76,6.45 152.41,6.45 153.34,7.39 153.34,12.19 154.57,13.42 154.57,22.11 180.98,48.52 v1(180.98,59.13)
/Level Shifters/PAN5V.CS_12: length 321
  Top w0.3: v1(166.66,53.38) 166.69,53.38 175.21,61.9 176.83,61.9 179.12,64.19 186.03,64.19 v1(186.77,64.92) ; v1(79.25,36.64) 79.04,36.64 75.64,40.03 72.44,40.03 72.06,40.41 69.4,40.41 P9.9 ; v1(151.08,8.69) 150.82,8.42 U3.15 ; v1(89.87,33.16) 90.58,32.45 91.86,32.45 93.59,30.72 102.07,30.72 102.43,31.09 117.78,31.09 118.68,30.19 128.25,30.19 129.38,31.33 139.86,31.33 v1(140.56,32.03)
  Bottom w0.3: v1(140.56,32.03) 140.61,32.08 141.57,32.08 146.21,27.44 151.13,27.44 ; v1(166.66,53.38) 166.66,53.36 161.71,48.4 161.71,39.54 162.03,39.21 162.03,38.34 151.13,27.44 ; v1(186.77,64.92) 186.77,65.81 188.5,67.54 188.5,69.4 190.12,71.02 190.12,79.6 194.31,83.79 194.31,92.64 196.82,95.16 196.82,140.72 190.07,147.47 190.07,150.57 186.51,154.13 186.51,163.45 177.83,172.14 177.83,183.39 171.39,189.82 P3.9 ; 151.13,27.44 151.13,8.74 v1(151.08,8.69) ; v1(89.87,33.16) 82.69,33.16 79.25,36.6 v1(79.25,36.64)
/Level Shifters/PAN5V.CS_13: length 317.5
  Top w0.3: v1(89.31,15.11) 89.4,15.11 93.67,19.38 v1(116.97,19.38) ; v1(183.81,151.12) 185.83,149.1 v1(187.25,149.1) ; v1(158.33,13.02) 157.74,12.43 152.97,12.43 149.61,9.07 U3.14 139.31,9.07 v1(138.82,9.56)
  Bottom w0.3: P9.10 65.56,37.64 86.75,16.45 87.97,16.45 v1(89.31,15.11) ; v1(187.25,149.1) 187.91,148.44 187.91,144.83 193.78,138.96 193.78,95.01 191.49,92.72 191.49,85.11 187.27,80.9 187.27,73.46 183.27,69.46 183.27,58.81 184.7,57.38 184.7,49.97 158.33,23.61 v1(158.33,13.02) ; v1(138.82,9.56) 138.41,9.15 127.2,9.15 v1(116.97,19.38) ; v1(183.81,151.12) 182.09,152.83 182.09,160.96 163.04,180.02 P3.10
/Level Shifters/PAN5V.CS_14: length 325.1
  Top w0.3: v1(68.66,30.28) 70.68,28.26 80.59,28.26 81.98,29.66 81.98,30.36 82.72,31.09 84.98,31.09 95.06,21.02 111.01,21.02 v1(111.02,21.01) ; v1(180.29,68.76) 181.05,69.52 185.6,69.52 187.42,71.34 v1(188.59,71.34) ; v1(153.49,14.05) 153.49,13.66 149.56,9.72 U3.13 140.37,9.72 v1(140,10.08)
  Bottom w0.3: v1(188.59,71.34) 189.48,72.24 189.48,79.96 193.56,84.03 193.56,92.66 196.14,95.24 196.14,140.08 189.56,146.66 189.56,150.16 185.65,154.08 185.65,162.81 175.96,172.51 175.96,183.63 172.3,187.28 P3.11 ; P9.11 63.36,35.58 v1(68.66,30.28) ; v1(111.02,21.01) 111.02,19.52 122.32,8.22 138.4,8.22 140,9.82 v1(140,10.08) ; v1(180.29,68.76) 180.15,68.62 180.15,49.01 153.49,22.35 v1(153.49,14.05)
